# KiCad board demomatrix.kicad_pcb (continued)
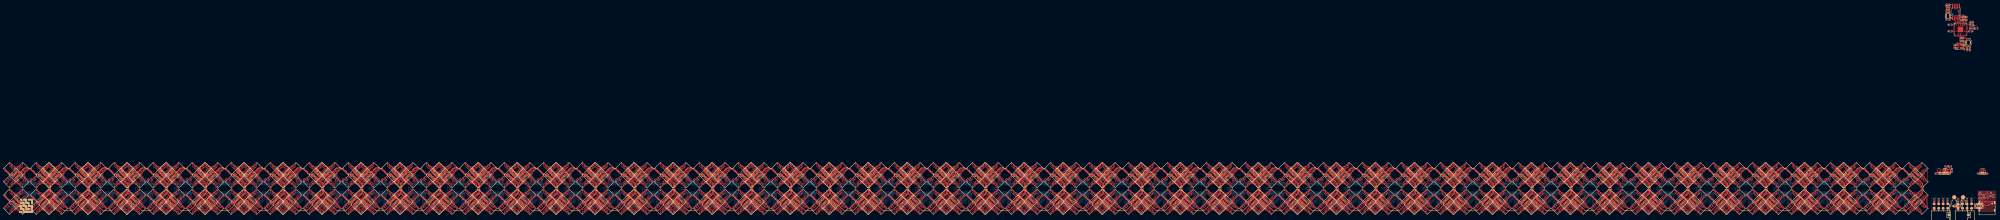
[diagram p0: board, top side]
## Routing (per net, layer and track width the routed paths; a pad name or vN(x,y) marks a point on that pad's centre or on a via; arc(x,y) is an arc through that point) (continued)
rgbs[3]-anodes-anode-408: length 9.5
  Top w0.2: LED523.3 -527.13,-0.1 -527.13,-0.07 -526.98,0.08 -526.98,0.89 -528.54,2.45 -528.79,2.45 -529.47,1.77 -529.91,1.77 -530.59,2.45 -530.84,2.45 -531.4,1.89 -531.4,1.88 -531.69,1.59 -531.7,1.59 -532.43,0.87 -532.43,0.08 LED524.4
rgbs[3]-anodes-anode-409: length 12.8
  Top w0.2: LED523.1 -526.28,-0.94 -526.28,-0.9 -526.15,-0.77 -526.22,-0.69 -526.22,0.7 -528.37,2.85 -528.95,2.85 -529.64,2.17 -529.74,2.17 -530.43,2.85 -531.01,2.85 -531.8,2.06 -531.8,2.05 -531.86,1.99 -531.86,1.99 -533.16,0.7 -533.16,-0.88 LED524.2
rgbs[3]-anodes-anode-410: length 3.9
  Top w0.2: LED524.6 -531.46,0.62 -530.26,0.62 -529.92,0.97 -529.46,0.97 -529.11,0.61 -528.12,0.61 LED523.5
rgbs[3]-anodes-anode-411: length 1.8
  Top w0.2: LED523.7 -528.9,1.53 -528.94,1.53 -529.11,1.37 -530.32,1.37 LED524.8
rgbs[3]-anodes-anode-412: length 9.5
  Top w0.2: LED528.4 -517.43,0.08 -517.43,0.87 -516.7,1.59 -516.69,1.59 -516.4,1.88 -516.4,1.89 -515.84,2.45 -515.59,2.45 -514.91,1.77 -514.47,1.77 -513.79,2.45 -513.54,2.45 -511.98,0.89 -511.98,0.08 -512.13,-0.07 -512.13,-0.1 LED527.3
rgbs[3]-anodes-anode-413: length 12.8
  Top w0.2: LED527.1 -511.28,-0.94 -511.28,-0.9 -511.15,-0.77 -511.22,-0.69 -511.22,0.7 -513.37,2.85 -513.95,2.85 -514.64,2.17 -514.74,2.17 -515.43,2.85 -516.01,2.85 -516.8,2.06 -516.8,2.05 -516.86,1.99 -516.86,1.99 -518.16,0.7 -518.16,-0.88 LED528.2
rgbs[3]-anodes-anode-414: length 3.9
  Top w0.2: LED527.5 -513.12,0.61 -514.11,0.61 -514.46,0.97 -514.92,0.97 -515.26,0.62 -516.46,0.62 LED528.6
rgbs[3]-anodes-anode-415: length 1.8
  Top w0.2: LED528.8 -515.32,1.37 -514.11,1.37 -513.94,1.53 -513.9,1.53 LED527.7
rgbs[3]-anodes-anode-416: length 9.5
  Top w0.2: LED532.4 -510.43,15.08 -510.43,15.87 -509.7,16.59 -509.69,16.59 -509.4,16.88 -509.4,16.89 -508.84,17.45 -508.59,17.45 -507.91,16.77 -507.47,16.77 -506.79,17.45 -506.54,17.45 -504.98,15.89 -504.98,15.08 -505.13,14.93 -505.13,14.9 LED531.3
rgbs[3]-anodes-anode-417: length 12.8
  Top w0.2: LED531.1 -504.28,14.06 -504.28,14.1 -504.15,14.23 -504.22,14.31 -504.22,15.7 -506.37,17.85 -506.95,17.85 -507.64,17.17 -507.74,17.17 -508.43,17.85 -509.01,17.85 -509.8,17.06 -509.8,17.05 -509.86,16.99 -509.86,16.99 -511.16,15.7 -511.16,14.12 LED532.2
rgbs[3]-anodes-anode-418: length 3.9
  Top w0.2: LED531.5 -506.12,15.61 -507.11,15.61 -507.46,15.97 -507.92,15.97 -508.26,15.62 -509.46,15.62 LED532.6
rgbs[3]-anodes-anode-419: length 1.8
  Top w0.2: LED532.8 -508.32,16.37 -507.11,16.37 -506.94,16.53 -506.9,16.53 LED531.7
rgbs[3]-anodes-anode-420: length 9.5
  Top w0.2: LED536.4 -495.43,15.08 -495.43,15.87 -494.7,16.59 -494.69,16.59 -494.4,16.88 -494.4,16.89 -493.84,17.45 -493.59,17.45 -492.91,16.77 -492.47,16.77 -491.79,17.45 -491.54,17.45 -489.98,15.89 -489.98,15.08 -490.13,14.93 -490.13,14.9 LED535.3
rgbs[3]-anodes-anode-421: length 12.8
  Top w0.2: LED535.1 -489.28,14.06 -489.28,14.1 -489.15,14.23 -489.22,14.31 -489.22,15.7 -491.37,17.85 -491.95,17.85 -492.64,17.17 -492.74,17.17 -493.43,17.85 -494.01,17.85 -494.8,17.06 -494.8,17.05 -494.86,16.99 -494.86,16.99 -496.16,15.7 -496.16,14.12 LED536.2
rgbs[3]-anodes-anode-422: length 3.9
  Top w0.2: LED536.6 -494.46,15.62 -493.26,15.62 -492.92,15.97 -492.46,15.97 -492.11,15.61 -491.12,15.61 LED535.5
rgbs[3]-anodes-anode-423: length 1.8
  Top w0.2: LED536.8 -493.32,16.37 -492.11,16.37 -491.94,16.53 -491.9,16.53 LED535.7
rgbs[3]-anodes-anode-424: length 9.5
  Top w0.2: LED539.3 -505.13,-0.1 -505.13,-0.07 -504.98,0.08 -504.98,0.89 -506.54,2.45 -506.79,2.45 -507.47,1.77 -507.91,1.77 -508.59,2.45 -508.84,2.45 -509.4,1.89 -509.4,1.88 -509.69,1.59 -509.7,1.59 -510.43,0.87 -510.43,0.08 LED540.4
rgbs[3]-anodes-anode-425: length 12.8
  Top w0.2: LED539.1 -504.28,-0.94 -504.28,-0.9 -504.15,-0.77 -504.22,-0.69 -504.22,0.7 -506.37,2.85 -506.95,2.85 -507.64,2.17 -507.74,2.17 -508.43,2.85 -509.01,2.85 -509.8,2.06 -509.8,2.05 -509.86,1.99 -509.86,1.99 -511.16,0.7 -511.16,-0.88 LED540.2
rgbs[3]-anodes-anode-426: length 3.9
  Top w0.2: LED540.6 -509.46,0.62 -508.26,0.62 -507.92,0.97 -507.46,0.97 -507.11,0.61 -506.12,0.61 LED539.5
rgbs[3]-anodes-anode-427: length 1.8
  Top w0.2: LED540.8 -508.32,1.37 -507.11,1.37 -506.94,1.53 -506.9,1.53 LED539.7
rgbs[3]-anodes-anode-428: length 9.5
  Top w0.2: LED544.4 -495.43,0.08 -495.43,0.87 -494.7,1.59 -494.69,1.59 -494.4,1.88 -494.4,1.89 -493.84,2.45 -493.59,2.45 -492.91,1.77 -492.47,1.77 -491.79,2.45 -491.54,2.45 -489.98,0.89 -489.98,0.08 -490.13,-0.07 -490.13,-0.1 LED543.3
rgbs[3]-anodes-anode-429: length 12.8
  Top w0.2: LED543.1 -489.28,-0.94 -489.28,-0.9 -489.15,-0.77 -489.22,-0.69 -489.22,0.7 -491.37,2.85 -491.95,2.85 -492.64,2.17 -492.74,2.17 -493.43,2.85 -494.01,2.85 -494.8,2.06 -494.8,2.05 -494.86,1.99 -494.86,1.99 -496.16,0.7 -496.16,-0.88 LED544.2
rgbs[3]-anodes-anode-430: length 3.9
  Top w0.2: LED543.5 -491.12,0.61 -492.11,0.61 -492.46,0.97 -492.92,0.97 -493.26,0.62 -494.46,0.62 LED544.6
rgbs[3]-anodes-anode-431: length 1.8
  Top w0.2: LED544.8 -493.32,1.37 -492.11,1.37 -491.94,1.53 -491.9,1.53 LED543.7
rgbs[3]-anodes-anode-432: length 9.5
  Top w0.2: LED548.4 -488.43,15.08 -488.43,15.87 -487.7,16.59 -487.69,16.59 -487.4,16.88 -487.4,16.89 -486.84,17.45 -486.59,17.45 -485.91,16.77 -485.47,16.77 -484.79,17.45 -484.54,17.45 -482.98,15.89 -482.98,15.08 -483.13,14.93 -483.13,14.9 LED547.3
rgbs[3]-anodes-anode-433: length 12.8
  Top w0.2: LED548.2 -489.16,14.12 -489.16,15.7 -487.86,16.99 -487.86,16.99 -487.8,17.05 -487.8,17.06 -487.01,17.85 -486.43,17.85 -485.74,17.17 -485.64,17.17 -484.95,17.85 -484.37,17.85 -482.22,15.7 -482.22,14.31 -482.15,14.23 -482.28,14.1 -482.28,14.06 LED547.1
rgbs[3]-anodes-anode-434: length 3.9
  Top w0.2: LED547.5 -484.12,15.61 -485.11,15.61 -485.46,15.97 -485.92,15.97 -486.26,15.62 -487.46,15.62 LED548.6
rgbs[3]-anodes-anode-435: length 1.8
  Top w0.2: LED547.7 -484.9,16.53 -484.94,16.53 -485.11,16.37 -486.32,16.37 LED548.8
rgbs[3]-anodes-anode-436: length 9.5
  Top w0.2: LED551.3 -468.13,14.9 -468.13,14.93 -467.98,15.08 -467.98,15.89 -469.54,17.45 -469.79,17.45 -470.47,16.77 -470.91,16.77 -471.59,17.45 -471.84,17.45 -472.4,16.89 -472.4,16.88 -472.69,16.59 -472.7,16.59 -473.43,15.87 -473.43,15.08 LED552.4
rgbs[3]-anodes-anode-437: length 12.8
  Top w0.2: LED552.2 -474.16,14.12 -474.16,15.7 -472.86,16.99 -472.86,16.99 -472.8,17.05 -472.8,17.06 -472.01,17.85 -471.43,17.85 -470.74,17.17 -470.64,17.17 -469.95,17.85 -469.37,17.85 -467.22,15.7 -467.22,14.31 -467.15,14.23 -467.28,14.1 -467.28,14.06 LED551.1
rgbs[3]-anodes-anode-438: length 3.9
  Top w0.2: LED551.5 -469.12,15.61 -470.11,15.61 -470.46,15.97 -470.92,15.97 -471.26,15.62 -472.46,15.62 LED552.6
rgbs[3]-anodes-anode-439: length 1.8
  Top w0.2: LED551.7 -469.9,16.53 -469.94,16.53 -470.11,16.37 -471.32,16.37 LED552.8
rgbs[3]-anodes-anode-440: length 9.5
  Top w0.2: LED556.4 -488.43,0.08 -488.43,0.87 -487.7,1.59 -487.69,1.59 -487.4,1.88 -487.4,1.89 -486.84,2.45 -486.59,2.45 -485.91,1.77 -485.47,1.77 -484.79,2.45 -484.54,2.45 -482.98,0.89 -482.98,0.08 -483.13,-0.07 -483.13,-0.1 LED555.3
rgbs[3]-anodes-anode-441: length 12.8
  Top w0.2: LED556.2 -489.16,-0.88 -489.16,0.7 -487.86,1.99 -487.86,1.99 -487.8,2.05 -487.8,2.06 -487.01,2.85 -486.43,2.85 -485.74,2.17 -485.64,2.17 -484.95,2.85 -484.37,2.85 -482.22,0.7 -482.22,-0.69 -482.15,-0.77 -482.28,-0.9 -482.28,-0.94 LED555.1
rgbs[3]-anodes-anode-442: length 3.9
  Top w0.2: LED556.6 -487.46,0.62 -486.26,0.62 -485.92,0.97 -485.46,0.97 -485.11,0.61 -484.12,0.61 LED555.5
rgbs[3]-anodes-anode-443: length 1.8
  Top w0.2: LED556.8 -486.32,1.37 -485.11,1.37 -484.94,1.53 -484.9,1.53 LED555.7
rgbs[3]-anodes-anode-444: length 9.5
  Top w0.2: LED559.3 -468.13,-0.1 -468.13,-0.07 -467.98,0.08 -467.98,0.89 -469.54,2.45 -469.79,2.45 -470.47,1.77 -470.91,1.77 -471.59,2.45 -471.84,2.45 -472.4,1.89 -472.4,1.88 -472.69,1.59 -472.7,1.59 -473.43,0.87 -473.43,0.08 LED560.4
rgbs[3]-anodes-anode-445: length 12.8
  Top w0.2: LED559.1 -467.28,-0.94 -467.28,-0.9 -467.15,-0.77 -467.22,-0.69 -467.22,0.7 -469.37,2.85 -469.95,2.85 -470.64,2.17 -470.74,2.17 -471.43,2.85 -472.01,2.85 -472.8,2.06 -472.8,2.05 -472.86,1.99 -472.86,1.99 -474.16,0.7 -474.16,-0.88 LED560.2
rgbs[3]-anodes-anode-446: length 3.9
  Top w0.2: LED560.6 -472.46,0.62 -471.26,0.62 -470.92,0.97 -470.46,0.97 -470.11,0.61 -469.12,0.61 LED559.5
rgbs[3]-anodes-anode-447: length 1.8
  Top w0.2: LED560.8 -471.32,1.37 -470.11,1.37 -469.94,1.53 -469.9,1.53 LED559.7
rgbs[3]-anodes-anode-448: length 9.5
  Top w0.2: LED563.3 -461.13,14.9 -461.13,14.93 -460.98,15.08 -460.98,15.89 -462.54,17.45 -462.79,17.45 -463.47,16.77 -463.91,16.77 -464.59,17.45 -464.84,17.45 -465.4,16.89 -465.4,16.88 -465.69,16.59 -465.7,16.59 -466.43,15.87 -466.43,15.08 LED564.4
rgbs[3]-anodes-anode-449: length 12.8
  Top w0.2: LED563.1 -460.28,14.06 -460.28,14.1 -460.15,14.23 -460.22,14.31 -460.22,15.7 -462.37,17.85 -462.95,17.85 -463.64,17.17 -463.74,17.17 -464.43,17.85 -465.01,17.85 -465.8,17.06 -465.8,17.05 -465.86,16.99 -465.86,16.99 -467.16,15.7 -467.16,14.12 LED564.2
rgbs[3]-anodes-anode-450: length 3.9
  Top w0.2: LED564.6 -465.46,15.62 -464.26,15.62 -463.92,15.97 -463.46,15.97 -463.11,15.61 -462.12,15.61 LED563.5
rgbs[3]-anodes-anode-451: length 1.8
  Top w0.2: LED564.8 -464.32,16.37 -463.11,16.37 -462.94,16.53 -462.9,16.53 LED563.7
rgbs[3]-anodes-anode-452: length 9.5
  Top w0.2: LED568.4 -451.43,15.08 -451.43,15.87 -450.7,16.59 -450.69,16.59 -450.4,16.88 -450.4,16.89 -449.84,17.45 -449.59,17.45 -448.91,16.77 -448.47,16.77 -447.79,17.45 -447.54,17.45 -445.98,15.89 -445.98,15.08 -446.13,14.93 -446.13,14.9 LED567.3
rgbs[3]-anodes-anode-453: length 12.8
  Top w0.2: LED567.1 -445.28,14.06 -445.28,14.1 -445.15,14.23 -445.22,14.31 -445.22,15.7 -447.37,17.85 -447.95,17.85 -448.64,17.17 -448.74,17.17 -449.43,17.85 -450.01,17.85 -450.8,17.06 -450.8,17.05 -450.86,16.99 -450.86,16.99 -452.16,15.7 -452.16,14.12 LED568.2
rgbs[3]-anodes-anode-454: length 3.9
  Top w0.2: LED568.6 -450.46,15.62 -449.26,15.62 -448.92,15.97 -448.46,15.97 -448.11,15.61 -447.12,15.61 LED567.5
rgbs[3]-anodes-anode-455: length 1.8
  Top w0.2: LED568.8 -449.32,16.37 -448.11,16.37 -447.94,16.53 -447.9,16.53 LED567.7
rgbs[3]-anodes-anode-456: length 9.5
  Top w0.2: LED572.4 -466.43,0.08 -466.43,0.87 -465.7,1.59 -465.69,1.59 -465.4,1.88 -465.4,1.89 -464.84,2.45 -464.59,2.45 -463.91,1.77 -463.47,1.77 -462.79,2.45 -462.54,2.45 -460.98,0.89 -460.98,0.08 -461.13,-0.07 -461.13,-0.1 LED571.3
rgbs[3]-anodes-anode-457: length 12.8
  Top w0.2: LED572.2 -467.16,-0.88 -467.16,0.7 -465.86,1.99 -465.86,1.99 -465.8,2.05 -465.8,2.06 -465.01,2.85 -464.43,2.85 -463.74,2.17 -463.64,2.17 -462.95,2.85 -462.37,2.85 -460.22,0.7 -460.22,-0.69 -460.15,-0.77 -460.28,-0.9 -460.28,-0.94 LED571.1
rgbs[3]-anodes-anode-458: length 3.9
  Top w0.2: LED571.5 -462.12,0.61 -463.11,0.61 -463.46,0.97 -463.92,0.97 -464.26,0.62 -465.46,0.62 LED572.6
rgbs[3]-anodes-anode-459: length 1.8
  Top w0.2: LED571.7 -462.9,1.53 -462.94,1.53 -463.11,1.37 -464.32,1.37 LED572.8
rgbs[3]-anodes-anode-460: length 9.5
  Top w0.2: LED575.3 -446.13,-0.1 -446.13,-0.07 -445.98,0.08 -445.98,0.89 -447.54,2.45 -447.79,2.45 -448.47,1.77 -448.91,1.77 -449.59,2.45 -449.84,2.45 -450.4,1.89 -450.4,1.88 -450.69,1.59 -450.7,1.59 -451.43,0.87 -451.43,0.08 LED576.4
rgbs[3]-anodes-anode-461: length 12.8
  Top w0.2: LED575.1 -445.28,-0.94 -445.28,-0.9 -445.15,-0.77 -445.22,-0.69 -445.22,0.7 -447.37,2.85 -447.95,2.85 -448.64,2.17 -448.74,2.17 -449.43,2.85 -450.01,2.85 -450.8,2.06 -450.8,2.05 -450.86,1.99 -450.86,1.99 -452.16,0.7 -452.16,-0.88 LED576.2
rgbs[3]-anodes-anode-462: length 3.9
  Top w0.2: LED575.5 -447.12,0.61 -448.11,0.61 -448.46,0.97 -448.92,0.97 -449.26,0.62 -450.46,0.62 LED576.6
rgbs[3]-anodes-anode-463: length 1.8
  Top w0.2: LED576.8 -449.32,1.37 -448.11,1.37 -447.94,1.53 -447.9,1.53 LED575.7
rgbs[3]-anodes-anode-464: length 9.5
  Top w0.2: LED579.3 -439.13,14.9 -439.13,14.93 -438.98,15.08 -438.98,15.89 -440.54,17.45 -440.79,17.45 -441.47,16.77 -441.91,16.77 -442.59,17.45 -442.84,17.45 -443.4,16.89 -443.4,16.88 -443.69,16.59 -443.7,16.59 -444.43,15.87 -444.43,15.08 LED580.4
rgbs[3]-anodes-anode-465: length 12.8
  Top w0.2: LED580.2 -445.16,14.12 -445.16,15.7 -443.86,16.99 -443.86,16.99 -443.8,17.05 -443.8,17.06 -443.01,17.85 -442.43,17.85 -441.74,17.17 -441.64,17.17 -440.95,17.85 -440.37,17.85 -438.22,15.7 -438.22,14.31 -438.15,14.23 -438.28,14.1 -438.28,14.06 LED579.1
rgbs[3]-anodes-anode-466: length 3.9
  Top w0.2: LED580.6 -443.46,15.62 -442.26,15.62 -441.92,15.97 -441.46,15.97 -441.11,15.61 -440.12,15.61 LED579.5
rgbs[3]-anodes-anode-467: length 1.8
  Top w0.2: LED580.8 -442.32,16.37 -441.11,16.37 -440.94,16.53 -440.9,16.53 LED579.7
rgbs[3]-anodes-anode-468: length 9.5
  Top w0.2: LED584.4 -429.43,15.08 -429.43,15.87 -428.7,16.59 -428.69,16.59 -428.4,16.88 -428.4,16.89 -427.84,17.45 -427.59,17.45 -426.91,16.77 -426.47,16.77 -425.79,17.45 -425.54,17.45 -423.98,15.89 -423.98,15.08 -424.13,14.93 -424.13,14.9 LED583.3
rgbs[3]-anodes-anode-469: length 12.8
  Top w0.2: LED583.1 -423.28,14.06 -423.28,14.1 -423.15,14.23 -423.22,14.31 -423.22,15.7 -425.37,17.85 -425.95,17.85 -426.64,17.17 -426.74,17.17 -427.43,17.85 -428.01,17.85 -428.8,17.06 -428.8,17.05 -428.86,16.99 -428.86,16.99 -430.16,15.7 -430.16,14.12 LED584.2
rgbs[3]-anodes-anode-470: length 3.9
  Top w0.2: LED583.5 -425.12,15.61 -426.11,15.61 -426.46,15.97 -426.92,15.97 -427.26,15.62 -428.46,15.62 LED584.6
rgbs[3]-anodes-anode-471: length 1.8
  Top w0.2: LED584.8 -427.32,16.37 -426.11,16.37 -425.94,16.53 -425.9,16.53 LED583.7
rgbs[3]-anodes-anode-472: length 9.5
  Top w0.2: LED587.3 -439.13,-0.1 -439.13,-0.07 -438.98,0.08 -438.98,0.89 -440.54,2.45 -440.79,2.45 -441.47,1.77 -441.91,1.77 -442.59,2.45 -442.84,2.45 -443.4,1.89 -443.4,1.88 -443.69,1.59 -443.7,1.59 -444.43,0.87 -444.43,0.08 LED588.4
rgbs[3]-anodes-anode-473: length 12.8
  Top w0.2: LED588.2 -445.16,-0.88 -445.16,0.7 -443.86,1.99 -443.86,1.99 -443.8,2.05 -443.8,2.06 -443.01,2.85 -442.43,2.85 -441.74,2.17 -441.64,2.17 -440.95,2.85 -440.37,2.85 -438.22,0.7 -438.22,-0.69 -438.15,-0.77 -438.28,-0.9 -438.28,-0.94 LED587.1
rgbs[3]-anodes-anode-474: length 3.9
  Top w0.2: LED588.6 -443.46,0.62 -442.26,0.62 -441.92,0.97 -441.46,0.97 -441.11,0.61 -440.12,0.61 LED587.5
rgbs[3]-anodes-anode-475: length 1.8
  Top w0.2: LED588.8 -442.32,1.37 -441.11,1.37 -440.94,1.53 -440.9,1.53 LED587.7
rgbs[3]-anodes-anode-476: length 9.5
  Top w0.2: LED591.3 -424.13,-0.1 -424.13,-0.07 -423.98,0.08 -423.98,0.89 -425.54,2.45 -425.79,2.45 -426.47,1.77 -426.91,1.77 -427.59,2.45 -427.84,2.45 -428.4,1.89 -428.4,1.88 -428.69,1.59 -428.7,1.59 -429.43,0.87 -429.43,0.08 LED592.4
rgbs[3]-anodes-anode-477: length 12.8
  Top w0.2: LED591.1 -423.28,-0.94 -423.28,-0.9 -423.15,-0.77 -423.22,-0.69 -423.22,0.7 -425.37,2.85 -425.95,2.85 -426.64,2.17 -426.74,2.17 -427.43,2.85 -428.01,2.85 -428.8,2.06 -428.8,2.05 -428.86,1.99 -428.86,1.99 -430.16,0.7 -430.16,-0.88 LED592.2
rgbs[3]-anodes-anode-478: length 3.9
  Top w0.2: LED591.5 -425.12,0.61 -426.11,0.61 -426.46,0.97 -426.92,0.97 -427.26,0.62 -428.46,0.62 LED592.6
rgbs[3]-anodes-anode-479: length 1.8
  Top w0.2: LED592.8 -427.32,1.37 -426.11,1.37 -425.94,1.53 -425.9,1.53 LED591.7
rgbs[3]-anodes-anode-480: length 9.5
  Top w0.2: LED595.3 -417.13,14.9 -417.13,14.93 -416.98,15.08 -416.98,15.89 -418.54,17.45 -418.79,17.45 -419.47,16.77 -419.91,16.77 -420.59,17.45 -420.84,17.45 -421.4,16.89 -421.4,16.88 -421.69,16.59 -421.7,16.59 -422.43,15.87 -422.43,15.08 LED596.4
rgbs[3]-anodes-anode-481: length 12.8
  Top w0.2: LED596.2 -423.16,14.12 -423.16,15.7 -421.86,16.99 -421.86,16.99 -421.8,17.05 -421.8,17.06 -421.01,17.85 -420.43,17.85 -419.74,17.17 -419.64,17.17 -418.95,17.85 -418.37,17.85 -416.22,15.7 -416.22,14.31 -416.15,14.23 -416.28,14.1 -416.28,14.06 LED595.1
rgbs[3]-anodes-anode-482: length 3.9
  Top w0.2: LED595.5 -418.12,15.61 -419.11,15.61 -419.46,15.97 -419.92,15.97 -420.26,15.62 -421.46,15.62 LED596.6
rgbs[3]-anodes-anode-483: length 1.8
  Top w0.2: LED595.7 -418.9,16.53 -418.94,16.53 -419.11,16.37 -420.32,16.37 LED596.8
rgbs[3]-anodes-anode-484: length 9.5
  Top w0.2: LED600.4 -407.43,15.08 -407.43,15.87 -406.7,16.59 -406.69,16.59 -406.4,16.88 -406.4,16.89 -405.84,17.45 -405.59,17.45 -404.91,16.77 -404.47,16.77 -403.79,17.45 -403.54,17.45 -401.98,15.89 -401.98,15.08 -402.13,14.93 -402.13,14.9 LED599.3
rgbs[3]-anodes-anode-485: length 12.8
  Top w0.2: LED599.1 -401.28,14.06 -401.28,14.1 -401.15,14.23 -401.22,14.31 -401.22,15.7 -403.37,17.85 -403.95,17.85 -404.64,17.17 -404.74,17.17 -405.43,17.85 -406.01,17.85 -406.8,17.06 -406.8,17.05 -406.86,16.99 -406.86,16.99 -408.16,15.7 -408.16,14.12 LED600.2
rgbs[3]-anodes-anode-486: length 3.9
  Top w0.2: LED600.6 -406.46,15.62 -405.26,15.62 -404.92,15.97 -404.46,15.97 -404.11,15.61 -403.12,15.61 LED599.5
rgbs[3]-anodes-anode-487: length 1.8
  Top w0.2: LED600.8 -405.32,16.37 -404.11,16.37 -403.94,16.53 -403.9,16.53 LED599.7
rgbs[3]-anodes-anode-488: length 9.5
  Top w0.2: LED603.3 -417.13,-0.1 -417.13,-0.07 -416.98,0.08 -416.98,0.89 -418.54,2.45 -418.79,2.45 -419.47,1.77 -419.91,1.77 -420.59,2.45 -420.84,2.45 -421.4,1.89 -421.4,1.88 -421.69,1.59 -421.7,1.59 -422.43,0.87 -422.43,0.08 LED604.4
rgbs[3]-anodes-anode-489: length 12.8
  Top w0.2: LED603.1 -416.28,-0.94 -416.28,-0.9 -416.15,-0.77 -416.22,-0.69 -416.22,0.7 -418.37,2.85 -418.95,2.85 -419.64,2.17 -419.74,2.17 -420.43,2.85 -421.01,2.85 -421.8,2.06 -421.8,2.05 -421.86,1.99 -421.86,1.99 -423.16,0.7 -423.16,-0.88 LED604.2
rgbs[3]-anodes-anode-490: length 3.9
  Top w0.2: LED603.5 -418.12,0.61 -419.11,0.61 -419.46,0.97 -419.92,0.97 -420.26,0.62 -421.46,0.62 LED604.6
rgbs[3]-anodes-anode-491: length 1.8
  Top w0.2: LED604.8 -420.32,1.37 -419.11,1.37 -418.94,1.53 -418.9,1.53 LED603.7
rgbs[3]-anodes-anode-492: length 9.5
  Top w0.2: LED608.4 -407.43,0.08 -407.43,0.87 -406.7,1.59 -406.69,1.59 -406.4,1.88 -406.4,1.89 -405.84,2.45 -405.59,2.45 -404.91,1.77 -404.47,1.77 -403.79,2.45 -403.54,2.45 -401.98,0.89 -401.98,0.08 -402.13,-0.07 -402.13,-0.1 LED607.3
rgbs[3]-anodes-anode-493: length 12.8
  Top w0.2: LED607.1 -401.28,-0.94 -401.28,-0.9 -401.15,-0.77 -401.22,-0.69 -401.22,0.7 -403.37,2.85 -403.95,2.85 -404.64,2.17 -404.74,2.17 -405.43,2.85 -406.01,2.85 -406.8,2.06 -406.8,2.05 -406.86,1.99 -406.86,1.99 -408.16,0.7 -408.16,-0.88 LED608.2
rgbs[3]-anodes-anode-494: length 3.9
  Top w0.2: LED607.5 -403.12,0.61 -404.11,0.61 -404.46,0.97 -404.92,0.97 -405.26,0.62 -406.46,0.62 LED608.6
rgbs[3]-anodes-anode-495: length 1.8
  Top w0.2: LED607.7 -403.9,1.53 -403.94,1.53 -404.11,1.37 -405.32,1.37 LED608.8
rgbs[3]-anodes-anode-496: length 9.5
  Top w0.2: LED611.3 -395.13,14.9 -395.13,14.93 -394.98,15.08 -394.98,15.89 -396.54,17.45 -396.79,17.45 -397.47,16.77 -397.91,16.77 -398.59,17.45 -398.84,17.45 -399.4,16.89 -399.4,16.88 -399.69,16.59 -399.7,16.59 -400.43,15.87 -400.43,15.08 LED612.4
rgbs[3]-anodes-anode-497: length 12.8
  Top w0.2: LED611.1 -394.28,14.06 -394.28,14.1 -394.15,14.23 -394.22,14.31 -394.22,15.7 -396.37,17.85 -396.95,17.85 -397.64,17.17 -397.74,17.17 -398.43,17.85 -399.01,17.85 -399.8,17.06 -399.8,17.05 -399.86,16.99 -399.86,16.99 -401.16,15.7 -401.16,14.12 LED612.2
rgbs[3]-anodes-anode-498: length 3.9
  Top w0.2: LED612.6 -399.46,15.62 -398.26,15.62 -397.92,15.97 -397.46,15.97 -397.11,15.61 -396.12,15.61 LED611.5
rgbs[3]-anodes-anode-499: length 1.8
  Top w0.2: LED612.8 -398.32,16.37 -397.11,16.37 -396.94,16.53 -396.9,16.53 LED611.7
rgbs[3]-anodes-anode-500: length 9.5
  Top w0.2: LED615.3 -380.13,14.9 -380.13,14.93 -379.98,15.08 -379.98,15.89 -381.54,17.45 -381.79,17.45 -382.47,16.77 -382.91,16.77 -383.59,17.45 -383.84,17.45 -384.4,16.89 -384.4,16.88 -384.69,16.59 -384.7,16.59 -385.43,15.87 -385.43,15.08 LED616.4
rgbs[3]-anodes-anode-501: length 12.8
  Top w0.2: LED616.2 -386.16,14.12 -386.16,15.7 -384.86,16.99 -384.86,16.99 -384.8,17.05 -384.8,17.06 -384.01,17.85 -383.43,17.85 -382.74,17.17 -382.64,17.17 -381.95,17.85 -381.37,17.85 -379.22,15.7 -379.22,14.31 -379.15,14.23 -379.28,14.1 -379.28,14.06 LED615.1
rgbs[3]-anodes-anode-502: length 3.9
  Top w0.2: LED616.6 -384.46,15.62 -383.26,15.62 -382.92,15.97 -382.46,15.97 -382.11,15.61 -381.12,15.61 LED615.5
rgbs[3]-anodes-anode-503: length 1.8
  Top w0.2: LED615.7 -381.9,16.53 -381.94,16.53 -382.11,16.37 -383.32,16.37 LED616.8
rgbs[3]-anodes-anode-504: length 9.5
  Top w0.2: LED620.4 -400.43,0.08 -400.43,0.87 -399.7,1.59 -399.69,1.59 -399.4,1.88 -399.4,1.89 -398.84,2.45 -398.59,2.45 -397.91,1.77 -397.47,1.77 -396.79,2.45 -396.54,2.45 -394.98,0.89 -394.98,0.08 -395.13,-0.07 -395.13,-0.1 LED619.3
rgbs[3]-anodes-anode-505: length 12.8
  Top w0.2: LED619.1 -394.28,-0.94 -394.28,-0.9 -394.15,-0.77 -394.22,-0.69 -394.22,0.7 -396.37,2.85 -396.95,2.85 -397.64,2.17 -397.74,2.17 -398.43,2.85 -399.01,2.85 -399.8,2.06 -399.8,2.05 -399.86,1.99 -399.86,1.99 -401.16,0.7 -401.16,-0.88 LED620.2
rgbs[3]-anodes-anode-506: length 3.9
  Top w0.2: LED619.5 -396.12,0.61 -397.11,0.61 -397.46,0.97 -397.92,0.97 -398.26,0.62 -399.46,0.62 LED620.6
rgbs[3]-anodes-anode-507: length 1.8
  Top w0.2: LED620.8 -398.32,1.37 -397.11,1.37 -396.94,1.53 -396.9,1.53 LED619.7
rgbs[3]-anodes-anode-508: length 9.5
  Top w0.2: LED623.3 -380.13,-0.1 -380.13,-0.07 -379.98,0.08 -379.98,0.89 -381.54,2.45 -381.79,2.45 -382.47,1.77 -382.91,1.77 -383.59,2.45 -383.84,2.45 -384.4,1.89 -384.4,1.88 -384.69,1.59 -384.7,1.59 -385.43,0.87 -385.43,0.08 LED624.4
rgbs[3]-anodes-anode-509: length 12.8
  Top w0.2: LED623.1 -379.28,-0.94 -379.28,-0.9 -379.15,-0.77 -379.22,-0.69 -379.22,0.7 -381.37,2.85 -381.95,2.85 -382.64,2.17 -382.74,2.17 -383.43,2.85 -384.01,2.85 -384.8,2.06 -384.8,2.05 -384.86,1.99 -384.86,1.99 -386.16,0.7 -386.16,-0.88 LED624.2
rgbs[3]-anodes-anode-510: length 3.9
  Top w0.2: LED623.5 -381.12,0.61 -382.11,0.61 -382.46,0.97 -382.92,0.97 -383.26,0.62 -384.46,0.62 LED624.6
rgbs[3]-anodes-anode-511: length 1.8
  Top w0.2: LED624.8 -383.32,1.37 -382.11,1.37 -381.94,1.53 -381.9,1.53 LED623.7
rgbs[3]-anodes-anode-512: length 9.5
  Top w0.2: LED627.3 -373.13,14.9 -373.13,14.93 -372.98,15.08 -372.98,15.89 -374.54,17.45 -374.79,17.45 -375.47,16.77 -375.91,16.77 -376.59,17.45 -376.84,17.45 -377.4,16.89 -377.4,16.88 -377.69,16.59 -377.7,16.59 -378.43,15.87 -378.43,15.08 LED628.4
rgbs[3]-anodes-anode-513: length 12.8
  Top w0.2: LED628.2 -379.16,14.12 -379.16,15.7 -377.86,16.99 -377.86,16.99 -377.8,17.05 -377.8,17.06 -377.01,17.85 -376.43,17.85 -375.74,17.17 -375.64,17.17 -374.95,17.85 -374.37,17.85 -372.22,15.7 -372.22,14.31 -372.15,14.23 -372.28,14.1 -372.28,14.06 LED627.1
rgbs[3]-anodes-anode-514: length 3.9
  Top w0.2: LED627.5 -374.12,15.61 -375.11,15.61 -375.46,15.97 -375.92,15.97 -376.26,15.62 -377.46,15.62 LED628.6
rgbs[3]-anodes-anode-515: length 1.8
  Top w0.2: LED628.8 -376.32,16.37 -375.11,16.37 -374.94,16.53 -374.9,16.53 LED627.7
rgbs[3]-anodes-anode-516: length 9.5
  Top w0.2: LED631.3 -358.13,14.9 -358.13,14.93 -357.98,15.08 -357.98,15.89 -359.54,17.45 -359.79,17.45 -360.47,16.77 -360.91,16.77 -361.59,17.45 -361.84,17.45 -362.4,16.89 -362.4,16.88 -362.69,16.59 -362.7,16.59 -363.43,15.87 -363.43,15.08 LED632.4
rgbs[3]-anodes-anode-517: length 12.8
  Top w0.2: LED631.1 -357.28,14.06 -357.28,14.1 -357.15,14.23 -357.22,14.31 -357.22,15.7 -359.37,17.85 -359.95,17.85 -360.64,17.17 -360.74,17.17 -361.43,17.85 -362.01,17.85 -362.8,17.06 -362.8,17.05 -362.86,16.99 -362.86,16.99 -364.16,15.7 -364.16,14.12 LED632.2
rgbs[3]-anodes-anode-518: length 3.9
  Top w0.2: LED632.6 -362.46,15.62 -361.26,15.62 -360.92,15.97 -360.46,15.97 -360.11,15.61 -359.12,15.61 LED631.5
rgbs[3]-anodes-anode-519: length 1.8
  Top w0.2: LED632.8 -361.32,16.37 -360.11,16.37 -359.94,16.53 -359.9,16.53 LED631.7
rgbs[3]-anodes-anode-520: length 9.5
  Top w0.2: LED636.4 -378.43,0.08 -378.43,0.87 -377.7,1.59 -377.69,1.59 -377.4,1.88 -377.4,1.89 -376.84,2.45 -376.59,2.45 -375.91,1.77 -375.47,1.77 -374.79,2.45 -374.54,2.45 -372.98,0.89 -372.98,0.08 -373.13,-0.07 -373.13,-0.1 LED635.3
rgbs[3]-anodes-anode-521: length 12.8
  Top w0.2: LED635.1 -372.28,-0.94 -372.28,-0.9 -372.15,-0.77 -372.22,-0.69 -372.22,0.7 -374.37,2.85 -374.95,2.85 -375.64,2.17 -375.74,2.17 -376.43,2.85 -377.01,2.85 -377.8,2.06 -377.8,2.05 -377.86,1.99 -377.86,1.99 -379.16,0.7 -379.16,-0.88 LED636.2
rgbs[3]-anodes-anode-522: length 3.9
  Top w0.2: LED636.6 -377.46,0.62 -376.26,0.62 -375.92,0.97 -375.46,0.97 -375.11,0.61 -374.12,0.61 LED635.5
rgbs[3]-anodes-anode-523: length 1.8
  Top w0.2: LED636.8 -376.32,1.37 -375.11,1.37 -374.94,1.53 -374.9,1.53 LED635.7
rgbs[3]-anodes-anode-524: length 9.5
  Top w0.2: LED640.4 -363.43,0.08 -363.43,0.87 -362.7,1.59 -362.69,1.59 -362.4,1.88 -362.4,1.89 -361.84,2.45 -361.59,2.45 -360.91,1.77 -360.47,1.77 -359.79,2.45 -359.54,2.45 -357.98,0.89 -357.98,0.08 -358.13,-0.07 -358.13,-0.1 LED639.3
rgbs[3]-anodes-anode-525: length 12.8
  Top w0.2: LED640.2 -364.16,-0.88 -364.16,0.7 -362.86,1.99 -362.86,1.99 -362.8,2.05 -362.8,2.06 -362.01,2.85 -361.43,2.85 -360.74,2.17 -360.64,2.17 -359.95,2.85 -359.37,2.85 -357.22,0.7 -357.22,-0.69 -357.15,-0.77 -357.28,-0.9 -357.28,-0.94 LED639.1